# KiCad board 8x8.kicad_pcb (continued)
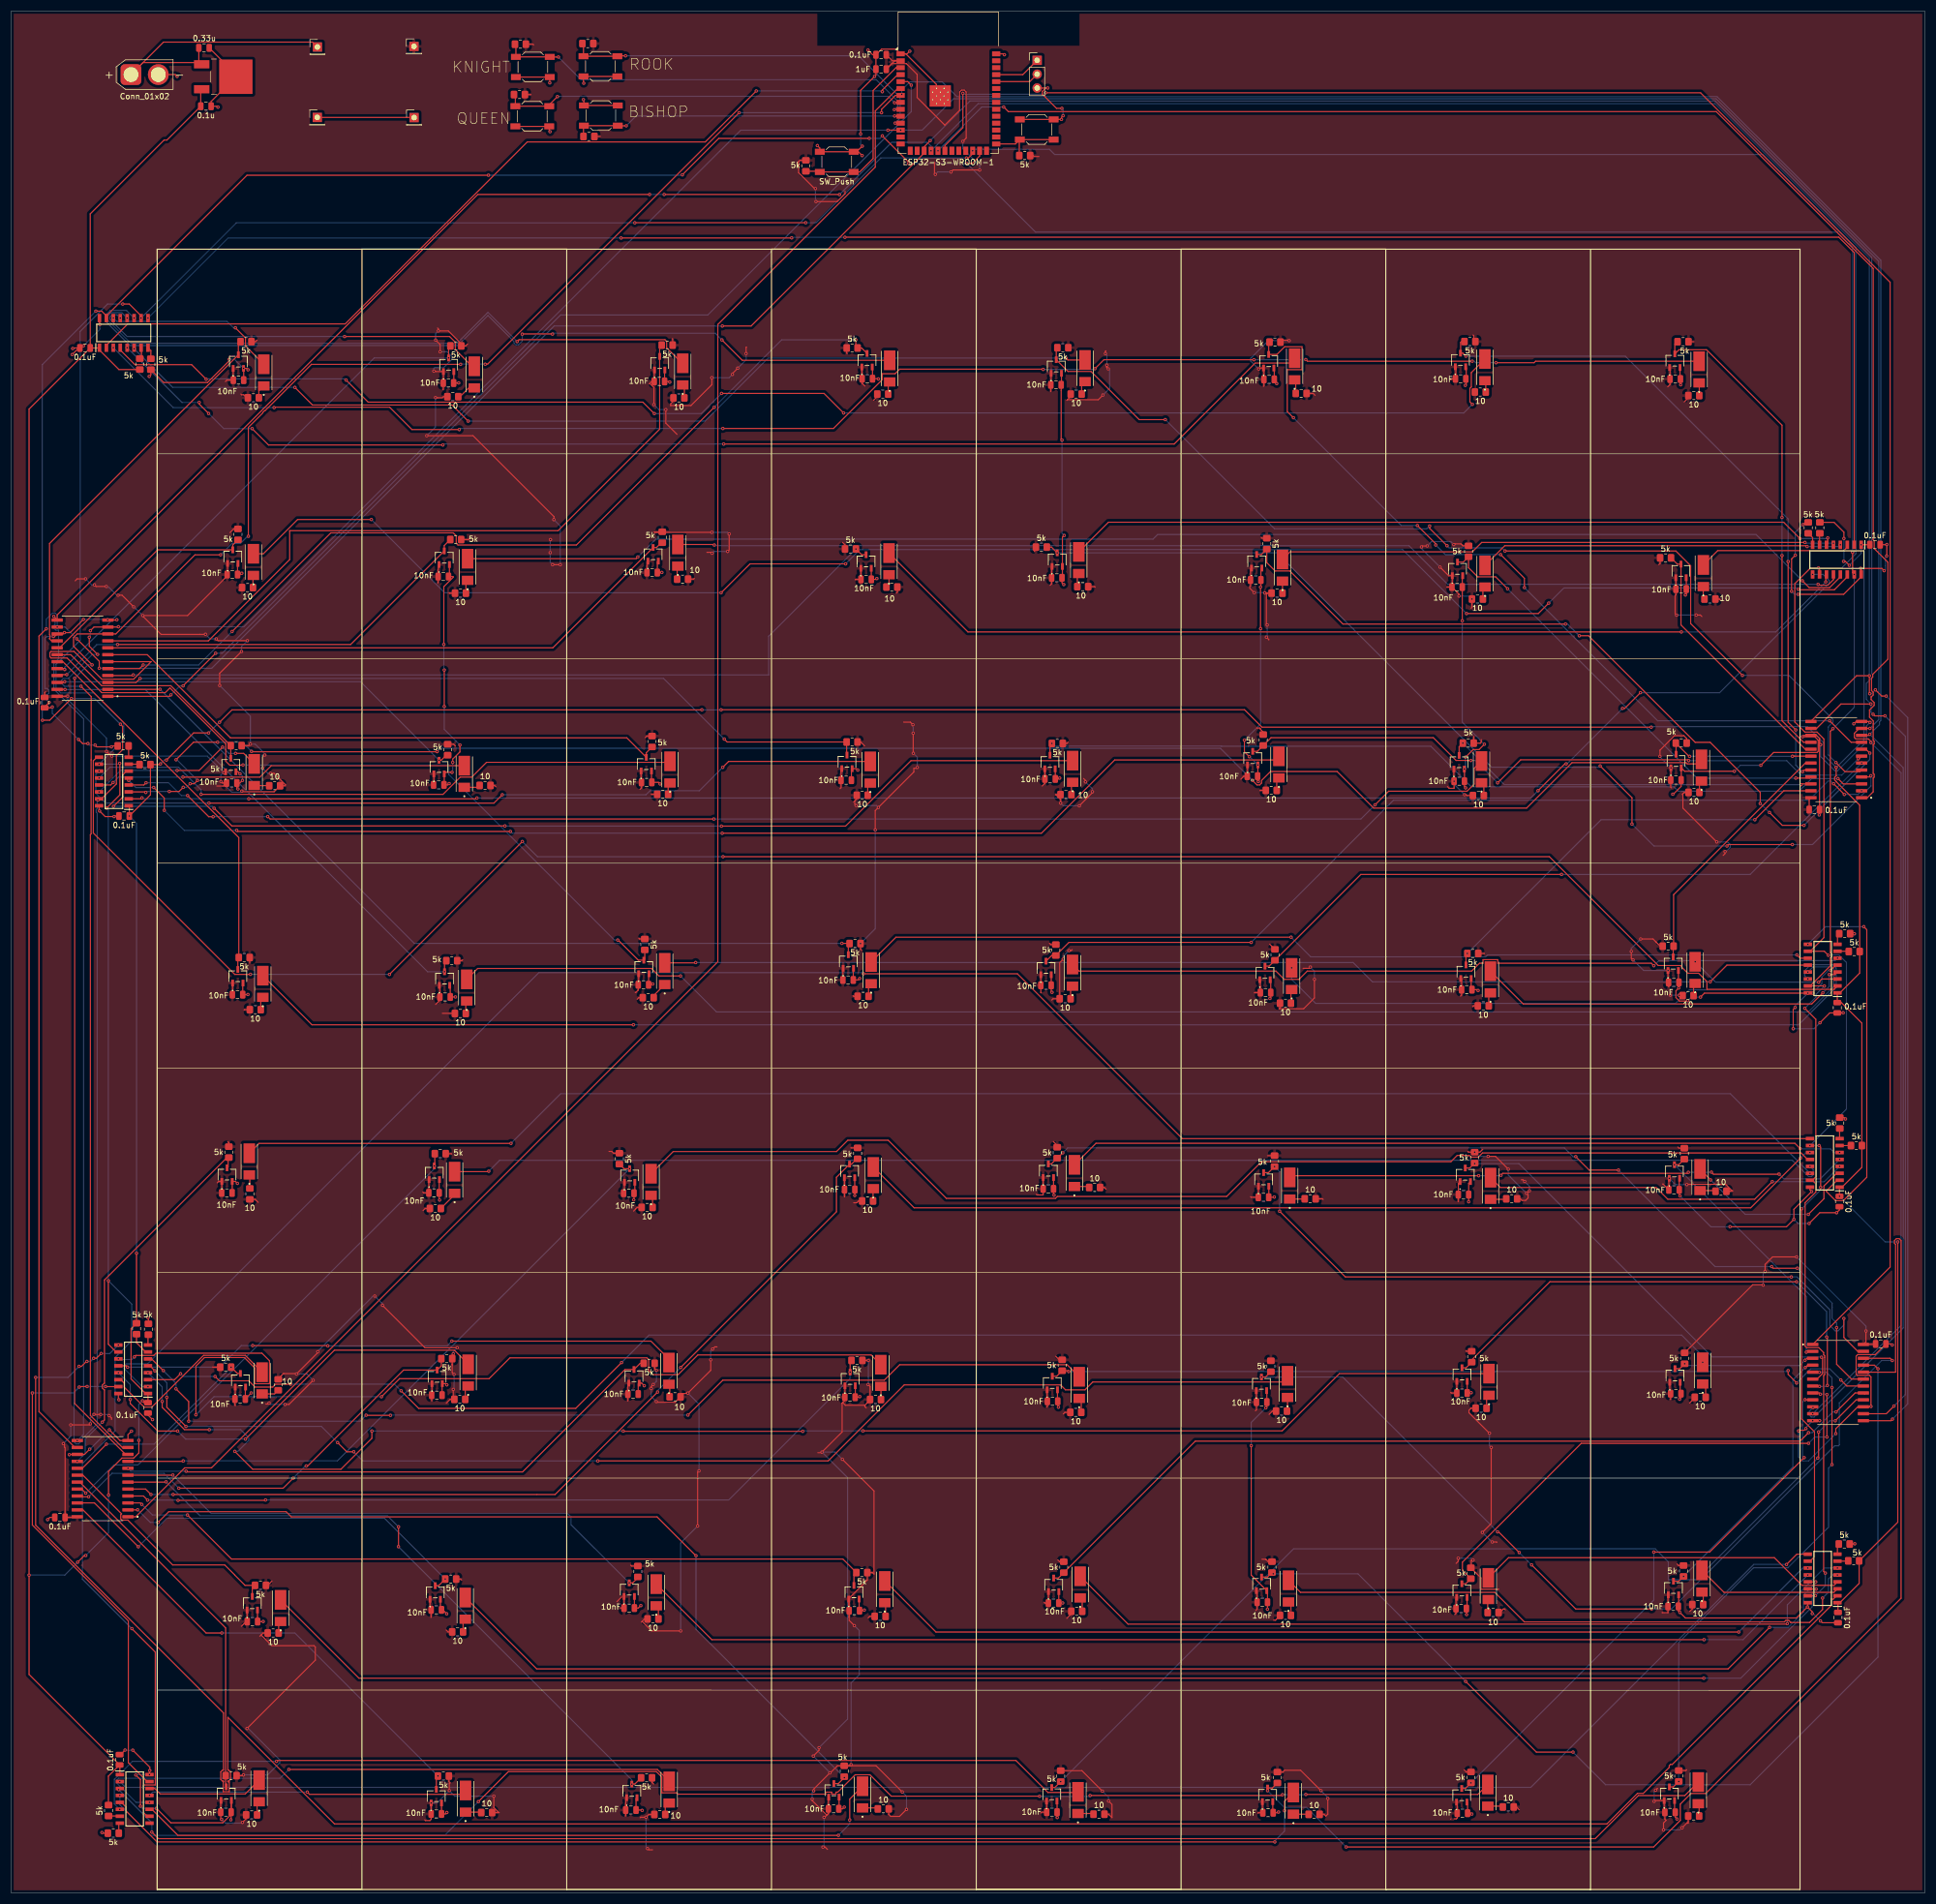
[diagram p0: board, top side]
## Routing (per net, layer and track width the routed paths; a pad name or vN(x,y) marks a point on that pad's centre or on a via; arc(x,y) is an arc through that point) (continued)
Net-(U3-DRAIN4): length 150
  Top w0.2: v1(89.97,201.22) 88.45,199.69 v1(36.27,199.69) ; v1(130.35,206.25) 131.42,207.33 D21.C
  Bottom w0.2: v1(130.35,206.25) 126.05,201.95 117.03,201.95 116.3,201.22 v1(89.97,201.22) ; v1(36.27,199.69) 17.35,199.69 15.55,201.5 15.55,204.95 v1(16.15,205.56)
Net-(U3-DRAIN5): length 110.4
  Top w0.2: v1(34.83,201.3) 79.12,201.3 82.27,204.45 84.38,204.45 87.09,207.16 120.51,207.16 D22.C
  Bottom w0.2: v1(16.15,204.29) 18.14,206.28 30.67,206.28 34.83,202.12 v1(34.83,201.3)
Net-(U3-DRAIN6): length 68.3
  Top w0.2: v1(18.71,203.46) 18.27,203.02 U3.13 ; D23.C 47.68,206.55 45.58,204.45 v1(31.5,204.45)
  Bottom w0.2: v1(31.5,204.45) 19.71,204.45 v1(18.71,203.46)
Net-(U3-DRAIN7): length 33.1
  Top w0.2: v1(38.75,209.95) 34.47,205.68 v1(30.43,205.68) ; D24.C 42.62,208.8 v1(41.12,208.8)
  Bottom w0.2: v1(41.12,208.8) 39.9,208.8 v1(38.75,209.95) ; v1(30.43,205.68) 20.08,205.68 v1(16.15,201.75)
Net-(U3-~{CLR}): length 2
  Top w0.2: U3.7 23.47,206.83 R5.2
Net-(U3-~{G}): length 2.1
  Top w0.2: U3.8 21.55,208.12 R6.2
Net-(U4-DRAIN0): length 27.9
  Top w0.2: U4.3 331.62,167.47 v1(331.04,166.89)
  Bottom w0.2: v1(308.42,170.62) 312.16,166.89 v1(331.04,166.89)
Net-(U4-DRAIN1): length 69.7
  Top w0.2: v1(332.98,168.28) 334.02,168.28 U4.4 ; D26.C 276.92,162.9 329.77,162.9 v1(331.8,164.93)
  Bottom w0.2: v1(332.98,168.28) 332.98,166.1 v1(331.8,164.93)
Net-(U4-DRAIN2): length 107.5
  Top w0.2: v1(333.22,169.08) 334.16,170.01 U4.5
  Bottom w0.2: v1(333.22,169.08) 332.87,169.08 331.64,167.84 331.64,166.64 330.47,165.48 307.33,165.48 304.85,163 238.93,163 234.53,167.4 v1(234.53,169.5)
Net-(U4-DRAIN3): length 144.9
  Top w0.2: v1(300.85,169.9) 300.4,170.35 272.28,170.35 272.28,171 269.57,171 269.57,170.35 268.92,170.35 267.49,168.91 237.39,168.91 235.88,167.4 233.17,167.4 231.66,168.91 195.61,168.91 194.4,170.12
  Bottom w0.2: v1(334.49,171.28) 334.03,170.83 309.03,170.83 309.03,170.87 308.67,171.23 308.18,171.23 307.82,170.87 307.82,170.83 301.77,170.83 v1(300.85,169.9)
Net-(U4-DRAIN4): length 175.3
  Top w0.2: v1(234.42,175.12) 162.08,175.12 D29.C ; v1(327.05,171.88) 327.65,171.28 U4.11
  Bottom w0.2: v1(234.42,175.12) 238.03,171.52 270.05,171.52 270.4,171.88 v1(327.05,171.88)
Net-(U4-DRAIN5): length 212.1
  Top w0.2: v1(125.39,170.48) 125.34,170.43 D30.C ; U4.12 314.24,170.01 v1(311.17,166.95)
  Bottom w0.2: v1(125.39,170.48) 245.79,170.48 249.33,166.95 v1(311.17,166.95)
Net-(U4-DRAIN6): length 264.9
  Top w0.2: D31.C 85.47,169.4 117.3,169.4 118.67,168.03 v1(122.62,168.03)
  Bottom w0.2: v1(122.62,168.03) 129.22,161.43 329.15,161.43 333.83,166.1 333.83,169.32 333.47,169.68 330,169.68 v1(329.06,168.74)
Net-(U4-DRAIN7): length 306.4
  Top w0.2: D32.C 55.12,159.08 v1(113.99,159.08)
  Bottom w0.2: v1(329.06,167.49) 328.46,168.09 328.46,168.99 329.55,170.08 333.64,170.08 334.23,169.49 334.23,165.93 327.37,159.08 v1(113.99,159.08)
Net-(U4-~{CLR}): length 2.1
  Top w0.2: U4.7 336.5,172.55 R7.2
Net-(U4-~{G}): length 2.1
  Top w0.2: R8.2 334.49,175.46 U4.8
Net-(U5-DRAIN0): length 33.5
  Top w0.2: v1(311.27,130.65) 309.33,132.6 D33.C ; U5.3 334.32,131.87 332,129.55 332,127.2 v1(329.15,124.35)
  Bottom w0.2: v1(311.27,130.65) 317.58,124.35 v1(329.15,124.35)
Net-(U5-DRAIN1): length 68.1
  Top w0.2: D34.C 272.75,129.28 301.25,129.28 303.4,127.12 319.33,127.12 v1(322.54,130.34)
  Bottom w0.2: v1(334.88,133.14) 332.07,130.34 v1(322.54,130.34)
Net-(U5-DRAIN2): length 104.6
  Top w0.2: 323.64,131.86 v1(323.8,131.7) ; v1(323.8,131.7) 323.62,131.88 ; v1(323.8,131.7) 311.77,131.7 v1(311.4,132.08) ; 234.92,131.88 234.17,131.12 234.47,131.43 v1(268.77,131.43) ; v1(272.85,131.5) 273.21,131.86 306.99,131.86 v1(307.17,132.05)
  Bottom w0.2: v1(272.85,131.5) 272.77,131.43 v1(268.77,131.43) ; v1(307.17,132.05) 311.38,132.05 v1(311.4,132.08) ; v1(323.8,131.7) 324.63,130.87 331.33,130.87 v1(334.88,134.41)
Net-(U5-DRAIN3): length 142.5
  Top w0.2: D36.C 198.69,137.37 326.68,137.37 v1(327.65,136.4)
  Bottom w0.2: v1(334.88,135.68) 334.85,135.65 333.9,135.65 333.2,136.35 327.7,136.35 v1(327.65,136.4)
Net-(U5-DRAIN4): length 178.8
  Top w0.2: D37.C 165.4,125.55 318.6,125.55 v1(327.73,134.68)
  Bottom w0.2: v1(327.73,134.68) 328.65,135.6 329.37,135.6 v1(329.45,135.68)
Net-(U5-DRAIN5): length 223.4
  Top w0.2: U5.12 329.01,134.41 327.82,135.6 307.16,135.6 307.13,135.57 305.75,135.57 305.72,135.6 269.48,135.6 268.73,134.84 267.35,134.84 267.05,135.15 264.84,135.15 263.7,134.01 229.01,134.01 222.63,127.63 191.63,127.63 191.27,127.27 171.3,127.27 160.65,137.93 153.25,137.93 151.18,135.85 121.28,135.85 D38.C
Net-(U5-DRAIN6): length 252.8
  Top w0.2: D39.C 87.42,132.17 v1(87.5,132.25)
  Bottom w0.2: v1(329.45,133.14) 330.05,132.54 330.05,131.62 329.7,131.27 329.2,131.27 326.22,134.25 89.5,134.25 v1(87.5,132.25)
Net-(U5-DRAIN7): length 296.4
  Top w0.2: v1(91.58,137.35) 45.46,137.35 D40.C
  Bottom w0.2: v1(329.45,131.87) 314.87,146.45 100.68,146.45 v1(91.58,137.35)
Net-(U5-~{CLR}): length 2.1
  Top w0.2: U5.7 R9.2
Net-(U5-~{G}): length 1.9
  Top w0.2: R10.2 334.88,140.05 U5.8
Net-(U6-DRAIN0): length 296.5
  Top w0.2: v1(51.21,93.24) 51.2,93.22 48.46,93.22 47.95,92.71 44.7,92.71 43.56,93.85 38.18,93.85 v1(37.38,94.65) ; v1(31.06,95.14) 29.98,94.06 U6.3 ; v1(71.45,92.03) 74.68,88.8 103.42,88.8 v1(111.83,97.2)
  Bottom w0.2: v1(71.45,92.03) 70.24,93.24 v1(51.21,93.24) ; v1(31.06,95.14) 31.55,94.65 v1(37.38,94.65) ; v1(309.8,97.25) 309.8,98.38 305.95,102.23 116.85,102.23 v1(111.83,97.2)
Net-(U6-DRAIN1): length 268.6
  Top w0.2: v1(27.7,90.07) 27.7,89 31.8,84.9 v1(36.33,84.9) ; D42.C 243.28,95.17 232.79,84.68 v1(156.02,84.68) ; v1(66.1,84.65) 66.1,83.33 60.42,77.65 44.28,77.65 v1(41,80.93) ; v1(145,84.6) 112.18,84.6 v1(112.12,84.65)
  Bottom w0.2: v1(41,80.93) 41.55,80.93 43.55,82.93 43.55,83.42 42.07,84.9 v1(36.33,84.9) ; v1(145,84.6) 145.08,84.68 v1(156.02,84.68) ; v1(27.7,90.07) 27.7,92.73 v1(25.1,95.33) ; v1(112.12,84.65) 112.12,84.66 66.11,84.66 v1(66.1,84.65)
Net-(U6-DRAIN2): length 225.7
  Top w0.2: v1(107.47,79.18) 149.66,79.18 163.6,93.11 192.21,93.11 193.12,92.2 196.68,92.2 198.11,93.64 233.79,93.64 234.08,93.93 ; v1(28.55,90.82) 28.55,89 v1(32.05,85.5) ; v1(59.83,82.53) 61.5,80.85 v1(62.78,80.85) ; v1(26.36,95.68) 25.44,96.6 U6.5
  Bottom w0.2: v1(32.05,85.5) 56.85,85.5 v1(59.83,82.53) ; v1(26.36,95.68) 28.55,93.49 v1(28.55,90.82) ; v1(107.47,79.18) 64.45,79.18 v1(62.78,80.85)
Net-(U6-DRAIN3): length 183.2
  Top w0.2: v1(32.55,86.45) 32.55,90.05 v1(30.22,92.38) ; v1(123.97,87.57) 130.37,93.97 159.92,93.97 162.75,96.8 193.43,96.8 D44.C ; v1(27.9,95.73) 25.75,97.87 U6.6 ; v1(69.5,87.53) 65.08,87.53 v1(65.05,87.55)
  Bottom w0.2: v1(32.55,86.45) 63.95,86.45 v1(65.05,87.55) ; v1(69.5,87.53) 69.55,87.57 v1(123.97,87.57) ; v1(30.22,92.38) 30.22,93.4 v1(27.9,95.73)
Net-(U6-DRAIN4): length 194.2
  Top w0.2: v1(22.6,98.23) 22.87,98.5 26.16,98.5 26.58,98.92 45.96,98.92 47.35,97.53 47.35,93.32 44.65,93.32 44.65,96.21 42.74,98.11 35.45,98.11 33.88,96.54 v1(33.88,87.62) ; v1(67.86,90.94) 71.17,94.24 87.56,94.24 91.38,98.06 116.47,98.06 116.79,97.75 116.79,95.75 117.56,94.97 122.17,94.97 125.79,98.59 157.51,98.59 D45.C
  Bottom w0.2: v1(19.68,97.87) 19.78,97.77 19.78,97.75 22.12,97.75 v1(22.6,98.23) ; v1(67.86,90.94) 37.19,90.94 v1(33.88,87.62)
Net-(U6-DRAIN5): length 104.4
  Top w0.2: v1(44.28,100.3) 57.97,100.3 v1(58.03,100.25) ; v1(21.35,96.35) 21.1,96.6 U6.12 ; v1(80.75,101.12) 117.2,101.12 120.53,97.8
  Bottom w0.2: v1(21.35,96.35) 38.22,96.35 42.18,100.3 v1(44.28,100.3) ; v1(80.75,101.12) 79.88,100.25 v1(58.03,100.25)
Net-(U6-DRAIN6): length 79
  Top w0.2: v1(21.85,90.43) 21.85,89.68 26.88,84.65 v1(30.53,84.65) ; D47.C 83.72,96.94 81.2,99.46 59.24,99.46 v1(42.95,83.18)
  Bottom w0.2: v1(21.85,90.43) 21.85,93.16 v1(19.68,95.33) ; v1(42.95,83.18) 32,83.18 v1(30.53,84.65)
Net-(U6-DRAIN7): length 34
  Top w0.2: U6.14 20.11,94.06 20.74,93.43 20.74,92.69 24.39,89.04 25.81,89.04 35.28,98.51 42.91,98.51 D48.C
Net-(U6-~{CLR}): length 4.4
  Top w0.2: U6.7 24.68,99.14 23,100.82 R11.2
Net-(U6-~{G}): length 1.9
  Top w0.2: R12.2 25.1,102.22 U6.8
Net-(U7-DRAIN0): length 26.7
  Top w0.2: D49.C 313.7,55.1 333.83,55.1 U7.3
Net-(U7-DRAIN1): length 67.8
  Top w0.2: U7.4 333.85,56.38 327.99,56.38 322.92,61.45 274.25,61.45 D50.C
Net-(U7-DRAIN2): length 110.3
  Top w0.2: v1(331.75,54.05) 331.75,51.95 329.38,49.57 325.9,49.57 325.9,49.62 325.55,49.98 325.05,49.98 324.75,49.68 277.15,49.68 271.73,55.09 236.16,55.09 D51.C
  Bottom w0.2: v1(334.47,58.28) 333.55,58.28 332.83,57.55 332.83,55.12 v1(331.75,54.05)
Net-(U7-DRAIN3): length 148.6
  Top w0.2: v1(325.3,49.38) 325.2,49.28 204.57,49.28 D52.C
  Bottom w0.2: v1(334.47,59.55) 332.05,59.55 325.3,52.8 v1(325.3,49.38)
Net-(U7-DRAIN4): length 178.5
  Top w0.2: 159.53,55.85 160.45,56.78 169.4,47.82 v1(316.4,47.82)
  Bottom w0.2: v1(316.4,47.82) 328.12,59.55 v1(329.05,59.55)
Net-(U7-DRAIN5): length 220
  Top w0.2: D54.C 128.35,46.43 v1(310.05,46.43)
  Bottom w0.2: v1(310.05,46.43) 317.2,46.43 v1(329.05,58.28)
Net-(U7-DRAIN6): length 262.7
  Top w0.2: v1(322.05,48.68) 314.45,41.07 96.28,41.07 D55.C ; v1(330.5,57.01) U7.13
  Bottom w0.2: v1(330.5,57.01) 330.5,56.82 328.27,54.6 328.27,51.5 325.45,48.68 v1(322.05,48.68)
Net-(U7-DRAIN7): length 296.9
  Top w0.2: v1(330.58,55.7) 329.09,55.7 U7.14 ; v1(310,39.38) 63.72,39.38 D56.C
  Bottom w0.2: v1(310,39.38) 316.77,39.38 329.85,52.45 329.85,54.97 v1(330.58,55.7)
Net-(U7-~{CLR}): length 2
  Top w0.2: U7.7 336.39,60.82 R13.2
Net-(U7-~{G}): length 2
  Top w0.2: U7.8 334.47,63.7 R14.2
Net-(U8-DRAIN0): length 298.3
  Top w0.2: v1(25.8,11.18) 27,9.97 290.13,9.97 298.02,17.87 306.52,17.87 D57.C
  Bottom w0.2: v1(19.74,18.95) 25.8,12.88 v1(25.8,11.18)
Net-(U8-DRAIN1): length 267.7
  Top w0.2: v1(232.85,18.03) 232.7,17.88 v1(197.63,17.88) ; v1(85.6,16.75) 91.1,22.25 118.2,22.25 119.2,21.25 119.2,18.37 121.9,18.37 122.14,18.12 149.19,18.12 149.19,18.49 150.3,18.49 150.3,18.12 151.05,18.12 151.1,18.17 151.1,18.49 151.41,18.49 154.6,21.68 157.3,21.68 161.22,17.76 188.36,17.76 v1(188.38,17.75) ; v1(237.13,18.07) 268.62,18.07 D58.C
  Bottom w0.2: v1(188.38,17.75) 188.42,17.7 197.45,17.7 v1(197.63,17.88) ; v1(85.6,16.75) 79.42,10.57 25.55,10.57 19.95,16.18 v1(19.95,17.89) ; v1(237.13,18.07) 237.08,18.03 v1(232.85,18.03)
Net-(U8-DRAIN2): length 225.4
  Top w0.2: D59.C 233.22,16.8 v1(233.22,15.1) ; 19.95,16.62 20.21,16.62 21.01,15.81 21.01,15.11 26.75,9.37 v1(231.45,9.37)
  Bottom w0.2: v1(231.45,9.37) 231.45,9.57 233.22,11.35 v1(233.22,15.1)
Net-(U8-DRAIN3): length 186.3
  Top w0.2: D60.C 195.28,18.43 189.91,18.43 184.04,24.3 48.8,24.3 v1(48.64,24.14)
  Bottom w0.2: v1(19.94,15.34) 18.95,16.33 18.95,20.85 22.24,24.14 v1(48.64,24.14)
Net-(U8-DRAIN4): length 139
  Top w0.2: v1(153.6,13.4) 153.6,17.23 D61.C ; U8.11 25.81,15.35 30.59,10.57 v1(151.53,10.57)
  Bottom w0.2: v1(153.6,13.4) 153.6,12.65 v1(151.53,10.57)
Net-(U8-DRAIN5): length 110.9
  Top w0.2: D62.C 118.37,22.65 v1(50.9,22.65)
  Bottom w0.2: v1(50.9,22.65) 49.28,21.03 19.7,21.03 19.35,20.68 19.35,20.18 22.91,16.62 v1(25.38,16.62)
Net-(U8-DRAIN6): length 58.6
  Top w0.2: v1(54.27,18.5) 54.68,18.09 82.54,18.09 D63.C
  Bottom w0.2: v1(54.27,18.5) 25.98,18.5 v1(25.38,17.89)
Net-(U8-DRAIN7): length 21.5
  Top w0.2: D64.C 42.91,18.16 27.33,18.16 26.33,19.16 U8.14
Net-(U8-~{CLR}): length 2.1
  Top w0.2: R71.2 19.91,14.12 19.95,14.08
Net-(U8-~{G}): length 1.9
  Top w0.2: R72.2 19.75,12.61 19.95,12.81

## Copper pours and planes (outline as drawn; the poured copper is in the pictures)
+3.3V on Top: 447.12,345.35 447.12,-12.57 447.05,-12.65 -117.17,-12.65 -117.25,-12.72 -117.25,345.35
GND on Bottom: 447.17,345.43 447.17,-12.68 446.9,-12.95 -117.25,-12.95 -117.3,-12.9 -117.3,345.43

## Text on the board
F.Silkscreen: KNIGHT | QUEEN | BISHOP | ROOK
